# Altium PCB controller_V1.1.PcbDoc (part 4 of 6) (continued)
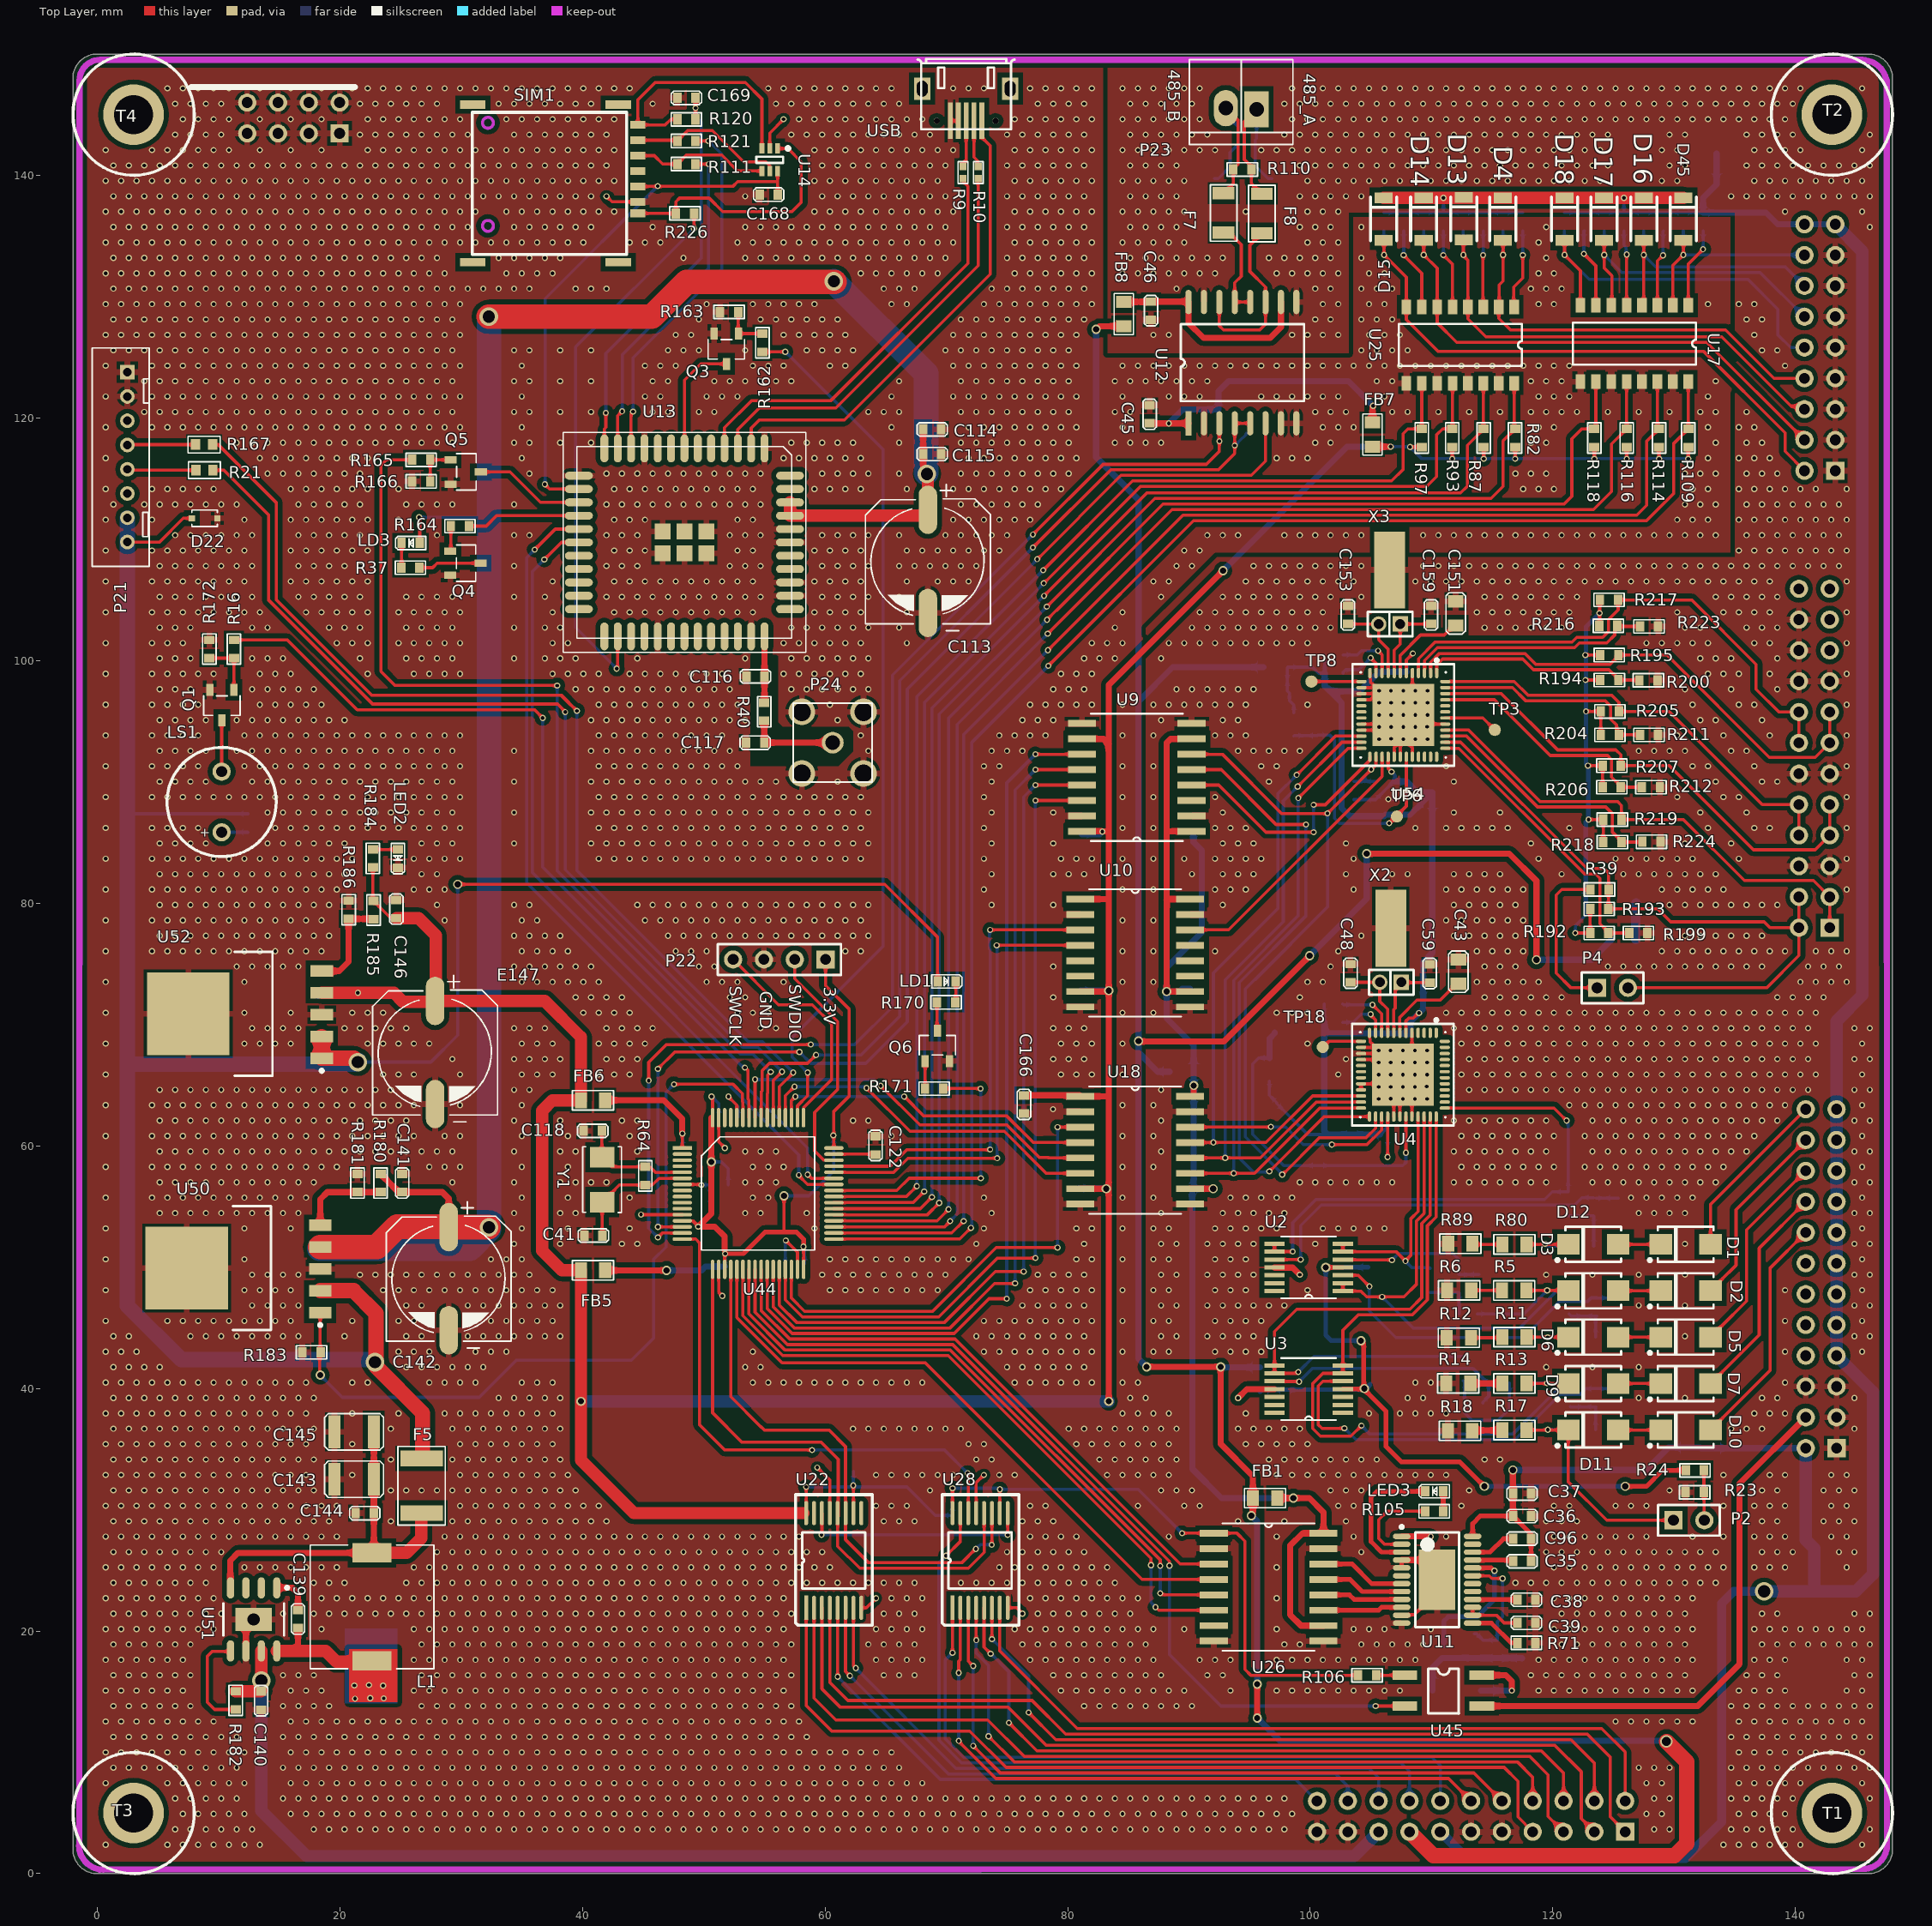
[diagram p0: Top Layer view]
## Nets (pads, with @x,y where several pads share a name; then routed paths per layer and width w, separated by ;. In a path a pad name is that pad's centre, name@x,y a point inside that pad or via, vN(x,y) a via of type N, cw(c..) or ccw(c..) an arc to the next point about the centre after c; other vN are vias at no path point) (continued)
23.569,48.108 24.839,48.108 26.109,48.108 27.379,48.108 28.649,48.108 29.919,48.108 31.189,48.108 32.459,48.108 33.729,48.108 34.999,48.108 36.269,48.108 37.539,48.108 60.399,48.108 61.669,48.108 62.939,48.108 64.209,48.108 65.479,48.108 66.749,48.108 68.019,48.108 69.289,48.108 76.909,48.108 78.179,48.108 79.449,48.108 80.719,48.108 81.989,48.108 84.529,48.108 12.774,49.378 14.044,49.378 15.314,49.378 16.584,49.378 21.664,49.378 22.934,49.378 24.204,49.378 25.474,49.378 26.744,49.378 28.014,49.378 29.284,49.378 30.554,49.378 31.824,49.378 33.094,49.378 34.364,49.378 35.634,49.378 59.764,49.378 61.034,49.378 62.304,49.378 63.574,49.378 64.844,49.378 66.114,49.378 67.384,49.378 68.654,49.378 69.924,49.378 77.544,49.378 78.814,49.378 80.084,49.378 81.354,49.378 0.709,50.648 12.139,50.648 32.459,50.648 33.729,50.648 34.999,50.648 60.399,50.648 61.669,50.648 62.939,50.648 64.209,50.648 65.479,50.648 66.749,50.648 68.019,50.648 69.289,50.648 70.559,50.648 71.829,50.648 80.719,50.648 81.989,50.648 84.529,50.648 34.364,51.918 38.174,51.918 43.254,51.918 44.524,51.918 72.464,51.918 81.354,51.918 0.709,53.188 12.139,53.188 15.949,53.188 34.999,53.188 38.809,53.188 43.889,53.188 59.129,53.188 73.099,53.188 80.719,53.188 81.989,53.188 84.529,53.188 5.154,54.458 6.424,54.458 7.694,54.458 8.964,54.458 10.234,54.458 11.504,54.458 12.774,54.458 14.044,54.458 15.314,54.458 16.584,54.458 34.364,54.458 38.174,54.458 39.444,54.458 53.414,54.458 54.684,54.458 58.494,54.458 73.734,54.458 0.709,55.728 4.519,55.728 5.789,55.728 7.059,55.728 8.329,55.728 9.599,55.728 10.869,55.728 12.139,55.728 13.409,55.728 14.679,55.728 15.949,55.728 17.219,55.728 34.999,55.728 38.809,55.728 43.889,55.728 54.049,55.728 55.319,55.728 73.099,55.728 84.529,55.728 5.154,56.998 6.424,56.998 7.694,56.998 8.964,56.998 10.234,56.998 11.504,56.998 12.774,56.998 14.044,56.998 15.314,56.998 16.584,56.998 17.854,56.998 29.284,56.998 34.364,56.998 38.174,56.998 39.444,56.998 40.714,56.998 41.984,56.998 53.414,56.998 54.684,56.998 55.954,56.998 0.709,58.268 4.519,58.268 5.789,58.268 7.059,58.268 8.329,58.268 9.599,58.268 10.869,58.268 12.139,58.268 13.409,58.268 14.679,58.268 15.949,58.268 17.219,58.268 18.489,58.268 19.759,58.268 27.379,58.268 28.649,58.268 29.919,58.268 34.999,58.268 38.809,58.268 54.049,58.268 55.319,58.268 56.589,58.268 84.529,58.268 5.154,59.538 6.424,59.538 7.694,59.538 8.964,59.538 10.234,59.538 11.504,59.538 12.774,59.538 14.044,59.538 15.314,59.538 16.584,59.538 17.854,59.538 19.124,59.538 20.394,59.538 21.664,59.538 22.934,59.538 24.204,59.538 25.474,59.538 26.744,59.538 28.014,59.538 29.284,59.538 34.364,59.538 38.174,59.538 39.444,59.538 44.524,59.538 53.414,59.538 54.684,59.538 55.954,59.538 51.74,59.817 0.709,60.808 4.519,60.808 5.789,60.808 7.059,60.808 8.329,60.808 9.599,60.808 10.869,60.808 12.139,60.808 13.409,60.808 14.679,60.808 15.949,60.808 17.219,60.808 18.489,60.808 19.759,60.808 21.029,60.808 22.299,60.808 23.569,60.808 24.839,60.808 26.109,60.808 28.649,60.808 29.919,60.808 34.999,60.808 38.809,60.808 43.889,60.808 65.479,60.808 84.529,60.808 5.154,62.078 6.424,62.078 7.694,62.078 8.964,62.078 10.234,62.078 11.504,62.078 12.774,62.078 14.044,62.078 15.314,62.078 16.584,62.078 17.854,62.078 19.124,62.078 20.394,62.078 21.664,62.078 22.934,62.078 24.204,62.078 25.474,62.078 34.364,62.078 38.174,62.078 43.254,62.078 44.524,62.078 62.304,62.078 63.574,62.078 78.791,63.017 0.709,63.348 4.519,63.348 5.789,63.348 7.059,63.348 8.329,63.348 9.599,63.348 10.869,63.348 12.139,63.348 13.409,63.348 14.679,63.348 15.949,63.348 17.219,63.348 18.489,63.348 19.759,63.348 21.029,63.348 22.299,63.348 23.569,63.348 24.839,63.348 26.109,63.348 29.919,63.348 34.999,63.348 84.529,63.348 5.154,64.618 6.424,64.618 7.694,64.618 8.964,64.618 10.234,64.618 11.504,64.618 12.774,64.618 14.044,64.618 15.314,64.618 16.584,64.618 17.854,64.618 19.124,64.618 20.394,64.618 21.664,64.618 22.934,64.618 24.204,64.618 25.474,64.618 34.364,64.618 35.634,64.618 0.709,65.888 23.569,65.888 24.839,65.888 26.109,65.888 29.919,65.888 34.999,65.888 36.269,65.888 37.539,65.888 41.349,65.888 42.619,65.888 43.889,65.888 79.449,65.888 80.719,65.888 81.989,65.888 84.529,65.888 29.284,67.158 34.364,67.158 35.634,67.158 36.904,67.158 38.174,67.158 41.984,67.158 43.254,67.158 44.524,67.158 78.814,67.158 80.084,67.158 81.354,67.158 0.709,68.428 12.139,68.428 13.409,68.428 14.679,68.428 15.949,68.428 22.299,68.428 23.569,68.428 24.839,68.428 26.109,68.428 27.379,68.428 34.999,68.428 36.269,68.428 37.539,68.428 41.349,68.428 42.619,68.428 43.889,68.428 45.159,68.428 79.449,68.428 80.719,68.428 81.989,68.428 84.529,68.428 12.774,69.698 14.044,69.698 15.314,69.698 16.584,69.698 20.394,69.698 21.664,69.698 22.934,69.698 24.204,69.698 25.474,69.698 34.364,69.698 35.634,69.698 36.904,69.698 41.984,69.698 43.254,69.698 44.524,69.698 45.794,69.698 54.684,69.698 55.954,69.698 78.814,69.698 80.084,69.698 81.354,69.698 0.709,70.968 12.139,70.968 15.949,70.968 21.029,70.968 22.299,70.968 23.569,70.968 40.079,70.968 41.349,70.968 42.619,70.968 43.889,70.968 52.779,70.968 54.049,70.968 55.319,70.968 84.529,70.968 39.444,72.238 40.714,72.238 41.984,72.238 43.254,72.238 52.144,72.238 53.414,72.238 78.814,72.238 0.709,73.508 12.139,73.508 34.999,73.508 36.269,73.508 37.539,73.508 38.809,73.508 40.079,73.508 41.349,73.508 50.239,73.508 51.509,73.508 52.779,73.508 56.589,73.508 84.529,73.508 11.504,74.778 12.774,74.778 14.044,74.778 15.314,74.778 16.584,74.778 34.364,74.778 35.634,74.778 36.904,74.778 38.174,74.778 39.444,74.778 40.714,74.778 49.604,74.778 50.874,74.778 78.814,74.778 0.709,76.048 4.519,76.048 5.789,76.048 7.059,76.048 8.329,76.048 9.599,76.048 10.869,76.048 12.139,76.048 13.409,76.048 14.679,76.048 15.949,76.048 17.219,76.048 18.489,76.048 34.999,76.048 36.269,76.048 37.539,76.048 38.809,76.048 47.699,76.048 48.969,76.048 50.239,76.048 61.669,76.048 62.939,76.048 84.529,76.048 5.154,77.318 6.424,77.318 7.694,77.318 8.964,77.318 10.234,77.318 11.504,77.318 12.774,77.318 14.044,77.318 15.314,77.318 16.584,77.318 17.854,77.318 19.124,77.318 34.364,77.318 35.634,77.318 36.904,77.318 38.174,77.318 47.064,77.318 48.334,77.318 49.604,77.318 50.874,77.318 52.144,77.318 53.414,77.318 54.684,77.318 55.954,77.318 57.224,77.318 58.494,77.318 59.764,77.318 61.034,77.318 62.304,77.318 63.574,77.318 0.709,78.588 4.519,78.588 5.789,78.588 7.059,78.588 8.329,78.588 9.599,78.588 10.869,78.588 12.139,78.588 13.409,78.588 14.679,78.588 15.949,78.588 17.219,78.588 18.489,78.588 28.649,78.588 34.999,78.588 36.269,78.588 45.159,78.588 46.429,78.588 47.699,78.588 48.969,78.588 50.239,78.588 51.509,78.588 52.779,78.588 54.049,78.588 55.319,78.588 56.589,78.588 57.859,78.588 59.129,78.588 60.399,78.588 61.669,78.588 62.939,78.588 84.529,78.588 5.154,79.858 6.424,79.858 7.694,79.858 8.964,79.858 10.234,79.858 11.504,79.858 12.774,79.858 14.044,79.858 15.314,79.858 16.584,79.858 17.854,79.858 19.124,79.858 28.014,79.858 34.364,79.858 35.634,79.858 44.524,79.858 45.794,79.858 47.064,79.858 48.334,79.858 49.604,79.858 50.874,79.858 52.144,79.858 53.414,79.858 54.684,79.858 55.954,79.858 57.224,79.858 58.494,79.858 59.764,79.858 61.034,79.858 62.304,79.858 63.574,79.858 73.734,79.858 78.814,79.858 0.709,81.128 4.519,81.128 5.789,81.128 7.059,81.128 8.329,81.128 9.599,81.128 10.869,81.128 12.139,81.128 13.409,81.128 14.679,81.128 15.949,81.128 17.219,81.128 18.489,81.128 19.759,81.128 26.109,81.128 27.379,81.128 28.649,81.128 73.099,81.128 84.529,81.128 5.154,82.398 6.424,82.398 7.694,82.398 8.964,82.398 10.234,82.398 11.504,82.398 12.774,82.398 14.044,82.398 15.314,82.398 16.584,82.398 17.854,82.398 19.124,82.398 20.394,82.398 26.744,82.398 28.014,82.398 73.734,82.398 78.814,82.398 80.084,82.398 81.354,82.398 0.709,83.668 4.519,83.668 5.789,83.668 7.059,83.668 8.329,83.668 9.599,83.668 10.869,83.668 12.139,83.668 13.409,83.668 14.679,83.668 15.949,83.668 17.219,83.668 18.489,83.668 19.759,83.668 21.029,83.668 26.109,83.668 27.379,83.668 28.649,83.668 29.919,83.668 41.349,83.668 42.619,83.668 43.889,83.668 45.159,83.668 46.429,83.668 47.699,83.668 48.969,83.668 50.239,83.668 51.509,83.668 52.779,83.668 54.049,83.668 55.319,83.668 56.589,83.668 57.859,83.668 59.129,83.668 60.399,83.668 61.669,83.668 62.939,83.668 73.099,83.668 79.449,83.668 80.719,83.668 81.989,83.668 84.529,83.668 5.154,84.938 6.424,84.938 7.694,84.938 8.964,84.938 14.044,84.938 15.314,84.938 16.584,84.938 17.854,84.938 19.124,84.938 20.394,84.938 26.744,84.938 28.014,84.938 29.284,84.938 34.364,84.938 40.714,84.938 41.984,84.938 43.254,84.938 44.524,84.938 45.794,84.938 47.064,84.938 48.334,84.938 49.604,84.938 50.874,84.938 52.144,84.938 53.414,84.938 54.684,84.938 55.954,84.938 57.224,84.938 58.494,84.938 59.764,84.938 61.034,84.938 62.304,84.938 63.574,84.938 73.734,84.938 78.814,84.938 0.709,86.208 4.519,86.208 5.789,86.208 7.059,86.208 8.329,86.208 14.679,86.208 15.949,86.208 17.219,86.208 18.489,86.208 19.759,86.208 21.029,86.208 22.299,86.208 23.569,86.208 24.839,86.208 26.109,86.208 27.379,86.208 28.649,86.208 29.919,86.208 41.349,86.208 42.619,86.208 43.889,86.208 45.159,86.208 46.429,86.208 47.699,86.208 48.969,86.208 50.239,86.208 51.509,86.208 52.779,86.208 54.049,86.208 55.319,86.208 56.589,86.208 57.859,86.208 59.129,86.208 60.399,86.208 61.669,86.208 62.939,86.208 73.099,86.208 84.529,86.208 14.044,87.478 15.314,87.478 16.584,87.478 17.854,87.478 19.124,87.478 20.394,87.478 21.664,87.478 22.934,87.478 24.204,87.478 25.474,87.478 26.744,87.478 28.014,87.478 29.284,87.478 34.364,87.478 40.714,87.478 41.984,87.478 43.254,87.478 44.524,87.478 45.794,87.478 47.064,87.478 48.334,87.478 49.604,87.478 50.874,87.478 52.144,87.478 53.414,87.478 54.684,87.478 55.954,87.478 57.224,87.478 58.494,87.478 59.764,87.478 61.034,87.478 62.304,87.478 63.574,87.478 73.734,87.478 78.814,87.478 0.709,88.748 4.519,88.748 5.789,88.748 7.059,88.748 8.329,88.748 9.599,88.748 10.869,88.748 12.139,88.748 13.409,88.748 14.679,88.748 15.949,88.748 17.219,88.748 18.489,88.748 19.759,88.748 21.029,88.748 22.299,88.748 23.569,88.748 24.839,88.748 26.109,88.748 27.379,88.748 28.649,88.748 29.919,88.748 41.349,88.748 42.619,88.748 43.889,88.748 45.159,88.748 46.429,88.748 47.699,88.748 48.969,88.748 50.239,88.748 51.509,88.748 52.779,88.748 54.049,88.748 55.319,88.748 56.589,88.748 57.859,88.748 59.129,88.748 60.399,88.748 61.669,88.748 62.939,88.748 73.099,88.748 84.529,88.748 5.154,90.018 6.424,90.018 7.694,90.018 8.964,90.018 12.774,90.018 14.044,90.018 15.314,90.018 16.584,90.018 17.854,90.018 19.124,90.018 20.394,90.018 21.664,90.018 22.934,90.018 24.204,90.018 25.474,90.018 26.744,90.018 28.014,90.018 29.284,90.018 34.364,90.018 40.714,90.018 41.984,90.018 43.254,90.018 44.524,90.018 45.794,90.018 47.064,90.018 48.334,90.018 49.604,90.018 50.874,90.018 52.144,90.018 53.414,90.018 54.684,90.018 55.954,90.018 61.034,90.018 73.734,90.018 0.709,91.288 4.519,91.288 5.789,91.288 7.059,91.288 8.329,91.288 12.139,91.288 13.409,91.288 14.679,91.288 15.949,91.288 17.219,91.288 18.489,91.288 19.759,91.288 21.029,91.288 22.299,91.288 23.569,91.288 24.839,91.288 26.109,91.288 27.379,91.288 28.649,91.288 29.919,91.288 41.349,91.288 42.619,91.288 43.889,91.288 45.159,91.288 46.429,91.288 47.699,91.288 48.969,91.288 50.239,91.288 51.509,91.288 52.779,91.288 73.099,91.288 74.369,91.288 84.529,91.288 5.154,92.558 6.424,92.558 7.694,92.558 8.964,92.558 11.504,92.558 12.774,92.558 14.044,92.558 15.314,92.558 16.584,92.558 17.854,92.558 19.124,92.558 20.394,92.558 21.664,92.558 22.934,92.558 24.204,92.558 25.474,92.558 26.744,92.558 28.014,92.558 29.284,92.558 34.364,92.558 40.714,92.558 41.984,92.558 43.254,92.558 44.524,92.558 45.794,92.558 47.064,92.558 48.334,92.558 49.604,92.558 50.874,92.558 52.144,92.558 63.574,92.558 73.734,92.558 75.004,92.558 76.274,92.558 0.709,93.828 4.519,93.828 5.789,93.828 7.059,93.828 8.329,93.828 12.139,93.828 13.409,93.828 14.679,93.828 15.949,93.828 17.219,93.828 18.489,93.828 19.759,93.828 21.029,93.828 22.299,93.828 23.569,93.828 24.839,93.828 26.109,93.828 27.379,93.828 28.649,93.828 29.919,93.828 41.349,93.828 42.619,93.828 43.889,93.828 45.159,93.828 46.429,93.828 47.699,93.828 48.969,93.828 50.239,93.828 51.509,93.828 62.939,93.828 74.369,93.828 75.639,93.828 76.909,93.828 78.179,93.828 84.529,93.828 5.154,95.098 6.424,95.098 7.694,95.098 8.964,95.098 11.504,95.098 12.774,95.098 14.044,95.098 15.314,95.098 16.584,95.098 17.854,95.098 19.124,95.098 20.394,95.098 40.714,95.098 41.984,95.098 43.254,95.098 44.524,95.098 45.794,95.098 47.064,95.098 48.334,95.098 49.604,95.098 50.874,95.098 52.144,95.098 53.414,95.098 61.034,95.098 76.274,95.098 77.544,95.098 78.814,95.098 0.709,96.368 4.519,96.368 5.789,96.368 7.059,96.368 8.329,96.368 13.409,96.368 14.679,96.368 15.949,96.368 17.219,96.368 18.489,96.368 41.349,96.368 42.619,96.368 43.889,96.368 45.159,96.368 46.429,96.368 47.699,96.368 48.969,96.368 50.239,96.368 51.509,96.368 52.779,96.368 60.399,96.368 76.909,96.368 78.179,96.368 79.449,96.368 80.719,96.368 81.989,96.368 84.529,96.368 5.154,97.638 6.424,97.638 7.694,97.638 12.774,97.638 14.044,97.638 15.314,97.638 16.584,97.638 17.854,97.638 39.444,97.638 40.714,97.638 41.984,97.638 43.254,97.638 44.524,97.638 45.794,97.638 47.064,97.638 48.334,97.638 49.604,97.638 50.874,97.638 52.144,97.638 57.224,97.638 58.494,97.638 59.764,97.638 61.034,97.638 62.304,97.638 63.574,97.638 78.814,97.638 80.084,97.638 81.354,97.638 0.709,98.908 4.519,98.908 5.789,98.908 7.059,98.908 8.329,98.908 9.599,98.908 13.409,98.908 14.679,98.908 15.949,98.908 22.299,98.908 26.109,98.908 27.379,98.908 28.649,98.908 29.919,98.908 37.539,98.908 38.809,98.908 40.079,98.908 41.349,98.908 43.889,98.908 45.159,98.908 46.429,98.908 47.699,98.908 48.969,98.908 50.239,98.908 51.509,98.908 56.589,98.908 57.859,98.908 59.129,98.908 60.399,98.908 61.669,98.908 62.939,98.908 79.449,98.908 80.719,98.908 81.989,98.908 5.154,100.178 6.424,100.178 7.694,100.178 12.774,100.178 14.044,100.178 15.314,100.178 21.664,100.178 25.474,100.178 26.744,100.178 28.014,100.178 29.284,100.178 34.364,100.178 36.904,100.178 38.174,100.178 39.444,100.178 44.524,100.178 53.414,100.178 57.224,100.178 58.494,100.178 59.764,100.178 61.034,100.178 62.304,100.178 63.574,100.178 81.354,100.178 82.624,100.178 83.894,100.178 0.709,101.448 4.519,101.448 5.789,101.448 7.059,101.448 19.759,101.448 21.029,101.448 22.299,101.448 24.839,101.448 26.109,101.448 27.379,101.448 28.649,101.448 29.919,101.448 37.539,101.448 38.809,101.448 56.589,101.448 57.859,101.448 59.129,101.448 60.399,101.448 61.669,101.448 62.939,101.448 66.749,101.448 81.989,101.448 83.259,101.448 84.529,101.448 5.154,102.718 6.424,102.718 7.694,102.718 12.774,102.718 14.044,102.718 19.124,102.718 20.394,102.718 21.664,102.718 25.474,102.718 26.744,102.718 28.014,102.718 29.284,102.718 34.364,102.718 36.904,102.718 38.174,102.718 57.224,102.718 58.494,102.718 59.764,102.718 61.034,102.718 62.304,102.718 63.574,102.718 66.114,102.718 83.894,102.718 0.709,103.988 4.519,103.988 5.789,103.988 7.059,103.988 8.329,103.988 9.599,103.988 10.869,103.988 12.139,103.988 13.409,103.988 17.219,103.988 18.489,103.988 19.759,103.988 21.029,103.988 22.299,103.988 24.839,103.988 26.109,103.988 27.379,103.988 28.649,103.988 29.919,103.988 37.539,103.988 42.619,103.988 43.889,103.988 45.159,103.988 46.429,103.988 47.699,103.988 48.969,103.988 50.239,103.988 51.509,103.988 52.779,103.988 54.049,103.988 59.129,103.988 60.399,103.988 61.669,103.988 62.939,103.988 66.749,103.988 84.529,103.988 5.154,105.258 6.424,105.258 7.694,105.258 8.964,105.258 10.234,105.258 11.504,105.258 12.774,105.258 16.584,105.258 17.854,105.258 19.124,105.258 20.394,105.258 21.664,105.258 25.474,105.258 26.744,105.258 28.014,105.258 29.284,105.258 34.364,105.258 36.904,105.258 41.984,105.258 43.254,105.258 44.524,105.258 45.794,105.258 47.064,105.258 48.334,105.258 49.604,105.258 50.874,105.258 52.144,105.258 53.414,105.258 54.684,105.258 59.764,105.258 61.034,105.258 62.304,105.258 63.574,105.258 66.114,105.258 87.704,105.258 0.709,106.528 4.519,106.528 5.789,106.528 7.059,106.528 8.329,106.528 9.599,106.528 10.869,106.528 12.139,106.528 15.949,106.528 17.219,106.528 18.489,106.528 19.759,106.528 21.029,106.528 22.299,106.528 37.539,106.528 42.619,106.528 43.889,106.528 45.159,106.528 46.429,106.528 47.699,106.528 48.969,106.528 50.239,106.528 51.509,106.528 52.779,106.528 54.049,106.528 59.129,106.528 60.399,106.528 61.669,106.528 62.939,106.528 66.749,106.528 69.289,106.528 70.559,106.528 71.829,106.528 87.069,106.528 88.339,106.528 5.154,107.798 6.424,107.798 7.694,107.798 8.964,107.798 10.234,107.798 11.504,107.798 12.774,107.798 16.584,107.798 17.854,107.798 19.124,107.798 20.394,107.798 21.664,107.798 34.364,107.798 41.984,107.798 43.254,107.798 44.524,107.798 52.144,107.798 53.414,107.798 54.684,107.798 59.764,107.798 61.034,107.798 62.304,107.798 63.574,107.798 66.114,107.798 67.384,107.798 68.654,107.798 69.924,107.798 71.194,107.798 72.464,107.798 88.974,107.798 90.244,107.798 0.709,109.068 4.519,109.068 5.789,109.068 7.059,109.068 8.329,109.068 9.599,109.068 10.869,109.068 12.139,109.068 15.949,109.068 17.219,109.068 18.489,109.068 19.759,109.068 21.029,109.068 22.299,109.068 42.619,109.068 43.889,109.068 45.159,109.068 52.779,109.068 54.049,109.068 59.129,109.068 60.399,109.068 61.669,109.068 62.939,109.068 66.749,109.068 68.019,109.068 69.289,109.068 70.559,109.068 71.829,109.068 73.099,109.068 74.369,109.068 89.609,109.068 90.879,109.068 6.424,110.338 7.694,110.338 8.964,110.338 10.234,110.338 11.504,110.338 12.774,110.338 16.584,110.338 17.854,110.338 19.124,110.338 20.394,110.338 21.664,110.338 28.014,110.338 34.364,110.338 35.634,110.338 41.984,110.338 43.254,110.338 44.524,110.338 52.144,110.338 53.414,110.338 54.684,110.338 59.764,110.338 61.034,110.338 62.304,110.338 63.574,110.338 66.114,110.338 69.924,110.338 71.194,110.338 72.464,110.338 73.734,110.338 75.004,110.338 91.514,110.338 92.784,110.338 94.054,110.338 97.864,110.338 99.134,110.338 100.404,110.338 101.674,110.338 102.944,110.338 104.214,110.338 109.294,110.338 110.564,110.338 111.834,110.338 113.104,110.338 114.374,110.338 115.644,110.338 116.914,110.338 118.184,110.338 119.454,110.338 120.724,110.338 121.994,110.338 123.264,110.338 124.534,110.338 125.804,110.338 127.074,110.338 128.344,110.338 129.614,110.338 130.884,110.338 132.154,110.338 133.424,110.338 0.709,111.608 4.519,111.608 12.139,111.608 15.949,111.608 17.219,111.608 18.489,111.608 19.759,111.608 21.029,111.608 22.299,111.608 24.839,111.608 42.619,111.608 43.889,111.608 45.159,111.608 52.779,111.608 54.049,111.608 70.559,111.608 71.829,111.608 73.099,111.608 74.369,111.608 75.639,111.608 76.909,111.608 130.249,111.608 131.519,111.608 132.789,111.608 1.344,112.878 3.884,112.878 5.154,112.878 6.424,112.878 7.694,112.878 8.964,112.878 10.234,112.878 11.504,112.878 16.584,112.878 17.854,112.878 19.124,112.878 20.394,112.878 21.664,112.878 25.474,112.878 26.744,112.878 28.014,112.878 29.284,112.878 34.364,112.878 41.984,112.878 43.254,112.878 44.524,112.878 45.794,112.878 47.064,112.878 48.334,112.878 49.604,112.878 50.874,112.878 52.144,112.878 53.414,112.878 54.684,112.878 71.194,112.878 72.464,112.878 73.734,112.878 75.004,112.878 76.274,112.878 77.544,112.878 130.884,112.878 132.154,112.878 133.424,112.878 0.709,114.148 4.519,114.148 5.789,114.148 7.059,114.148 8.329,114.148 9.599,114.148 15.949,114.148 17.219,114.148 18.489,114.148 19.759,114.148 21.029,114.148 22.299,114.148 24.839,114.148 42.619,114.148 43.889,114.148 45.159,114.148 46.429,114.148 47.699,114.148 48.969,114.148 50.239,114.148 51.509,114.148 52.779,114.148 54.049,114.148 59.129,114.148 60.399,114.148 61.669,114.148 62.939,114.148 66.749,114.148 70.559,114.148 71.829,114.148 73.099,114.148 74.369,114.148 75.639,114.148 76.909,114.148 78.179,114.148 79.449,114.148 117.549,114.148 118.819,114.148 120.089,114.148 131.519,114.148 132.789,114.148 14.044,115.418 15.314,115.418 16.584,115.418 17.854,115.418 19.124,115.418 20.394,115.418 21.664,115.418 35.634,115.418 41.984,115.418 43.254,115.418 44.524,115.418 45.794,115.418 47.064,115.418 48.334,115.418 49.604,115.418 50.874,115.418 52.144,115.418 53.414,115.418 54.684,115.418 59.764,115.418 61.034,115.418 62.304,115.418 63.574,115.418 66.114,115.418 71.194,115.418 72.464,115.418 73.734,115.418 75.004,115.418 76.274,115.418 77.544,115.418 78.814,115.418 80.084,115.418 116.914,115.418 118.184,115.418 119.454,115.418 130.884,115.418 132.154,115.418 133.424,115.418 0.709,116.688 13.409,116.688 14.679,116.688 15.949,116.688 17.219,116.688 18.489,116.688 19.759,116.688 21.029,116.688 22.299,116.688 34.999,116.688 56.589,116.688 57.859,116.688 59.129,116.688 60.399,116.688 61.669,116.688 62.939,116.688 71.829,116.688 73.099,116.688 74.369,116.688 75.639,116.688 76.909,116.688 78.179,116.688 79.449,116.688 80.719,116.688 97.229,116.688 98.499,116.688 99.769,116.688 132.789,116.688 11.504,117.958 12.774,117.958 14.044,117.958 15.314,117.958 16.584,117.958 17.854,117.958 19.124,117.958 20.394,117.958 21.664,117.958 22.934,117.958 24.204,117.958 25.474,117.958 26.744,117.958 28.014,117.958 29.284,117.958 34.364,117.958 35.634,117.958 38.174,117.958 40.714,117.958 57.224,117.958 58.494,117.958 59.764,117.958 61.034,117.958 62.304,117.958 66.114,117.958 71.194,117.958 72.464,117.958 73.734,117.958 75.004,117.958 76.274,117.958 77.544,117.958 78.814,117.958 80.084,117.958 83.894,117.958 85.164,117.958 86.434,117.958 87.704,117.958 100.404,117.958 101.674,117.958 118.184,117.958 119.454,117.958 133.424,117.958 0.709,119.228 4.519,119.228 5.789,119.228 7.059,119.228 8.329,119.228 9.599,119.228 10.869,119.228 12.139,119.228 13.409,119.228 14.679,119.228 15.949,119.228 17.219,119.228 18.489,119.228 19.759,119.228 21.029,119.228 22.299,119.228 23.569,119.228 24.839,119.228 26.109,119.228 27.379,119.228 28.649,119.228 29.919,119.228 34.999,119.228 65.479,119.228 71.829,119.228 73.099,119.228 74.369,119.228 75.639,119.228 76.909,119.228 78.179,119.228 79.449,119.228 80.719,119.228 84.529,119.228 101.039,119.228 102.309,119.228 103.579,119.228 118.819,119.228 120.089,119.228 132.789,119.228 3.884,120.498 5.154,120.498 6.424,120.498 7.694,120.498 8.964,120.498 10.234,120.498 11.504,120.498 12.774,120.498 14.044,120.498 15.314,120.498 16.584,120.498 17.854,120.498 19.124,120.498 20.394,120.498 21.664,120.498 22.934,120.498 24.204,120.498 25.474,120.498 26.744,120.498 28.014,120.498 29.284,120.498 34.364,120.498 35.634,120.498 38.174,120.498 40.714,120.498 45.794,120.498 47.064,120.498 49.604,120.498 50.874,120.498 63.574,120.498 64.844,120.498 66.114,120.498 71.194,120.498 72.464,120.498 73.734,120.498 75.004,120.498 76.274,120.498 77.544,120.498 78.814,120.498 80.084,120.498 83.894,120.498 85.164,120.498 100.404,120.498 101.674,120.498 102.944,120.498 106.754,120.498 108.024,120.498 110.564,120.498 113.104,120.498 115.644,120.498 118.184,120.498 119.454,120.498 120.724,120.498 121.994,120.498 124.534,120.498 127.074,120.498 129.614,120.498 132.154,120.498 133.424,120.498 0.709,121.768 4.519,121.768 5.789,121.768 7.059,121.768 8.329,121.768 9.599,121.768 10.869,121.768 12.139,121.768 13.409,121.768 14.679,121.768 15.949,121.768 17.219,121.768 18.489,121.768 19.759,121.768 21.029,121.768 22.299,121.768 23.569,121.768 24.839,121.768 26.109,121.768 27.379,121.768 28.649,121.768 29.919,121.768 34.999,121.768 45.159,121.768 46.429,121.768 50.239,121.768 51.509,121.768 52.779,121.768 65.479,121.768 70.559,121.768 71.829,121.768 73.099,121.768 74.369,121.768 75.639,121.768 76.909,121.768 78.179,121.768 79.449,121.768 80.719,121.768 84.529,121.768 88.339,121.768 89.609,121.768 90.879,121.768 95.959,121.768 97.229,121.768 98.499,121.768 99.769,121.768 101.039,121.768 102.309,121.768 106.119,121.768 118.819,121.768 120.089,121.768 121.359,121.768 132.789,121.768 3.884,123.038 5.154,123.038 6.424,123.038 7.694,123.038 8.964,123.038 10.234,123.038 11.504,123.038 12.774,123.038 14.044,123.038 15.314,123.038 16.584,123.038 17.854,123.038 19.124,123.038 20.394,123.038 21.664,123.038 22.934,123.038 24.204,123.038 25.474,123.038 26.744,123.038 28.014,123.038 29.284,123.038 34.364,123.038 35.634,123.038 38.174,123.038 40.714,123.038 45.794,123.038 47.064,123.038 50.874,123.038 52.144,123.038 53.414,123.038 54.684,123.038 55.954,123.038 57.224,123.038 66.114,123.038 71.194,123.038 72.464,123.038 73.734,123.038 75.004,123.038 76.274,123.038 77.544,123.038 78.814,123.038 80.084,123.038 83.894,123.038 85.164,123.038 86.434,123.038 87.704,123.038 88.974,123.038 90.244,123.038 91.514,123.038 105.484,123.038 106.754,123.038 118.184,123.038 119.454,123.038 120.724,123.038 133.424,123.038 0.709,124.308 4.519,124.308 5.789,124.308 7.059,124.308 8.329,124.308 9.599,124.308 10.869,124.308 12.139,124.308 13.409,124.308 14.679,124.308 15.949,124.308 17.219,124.308 18.489,124.308 19.759,124.308 21.029,124.308 22.299,124.308 23.569,124.308 24.839,124.308 26.109,124.308 27.379,124.308 28.649,124.308 29.919,124.308 34.999,124.308 45.159,124.308 46.429,124.308 47.699,124.308 54.049,124.308 55.319,124.308 56.589,124.308 60.399,124.308 61.669,124.308 70.559,124.308 71.829,124.308 73.099,124.308 74.369,124.308 75.639,124.308 76.909,124.308 78.179,124.308 79.449,124.308 80.719,124.308 84.529,124.308 85.799,124.308 87.069,124.308 88.339,124.308 89.609,124.308 90.879,124.308 92.149,124.308 93.419,124.308 94.689,124.308 95.959,124.308 97.229,124.308 98.499,124.308 99.769,124.308 101.039,124.308 102.309,124.308 103.579,124.308 104.849,124.308 106.119,124.308 107.389,124.308 108.659,124.308 109.929,124.308 111.199,124.308 112.469,124.308 113.739,124.308 115.009,124.308 116.279,124.308 117.549,124.308 118.819,124.308 120.089,124.308 121.359,124.308 1.344,125.578 2.614,125.578 3.884,125.578 5.154,125.578 6.424,125.578 7.694,125.578 8.964,125.578 10.234,125.578 11.504,125.578 12.774,125.578 14.044,125.578 15.314,125.578 16.584,125.578 17.854,125.578 19.124,125.578 20.394,125.578 21.664,125.578 22.934,125.578 24.204,125.578 25.474,125.578 26.744,125.578 28.014,125.578 29.284,125.578 34.364,125.578 35.634,125.578 38.174,125.578 40.714,125.578 47.064,125.578 48.334,125.578 49.604,125.578 53.414,125.578 58.494,125.578 59.764,125.578 61.034,125.578 62.304,125.578 69.924,125.578 71.194,125.578 72.464,125.578 73.734,125.578 75.004,125.578 76.274,125.578 77.544,125.578 78.814,125.578 80.084,125.578 104.214,125.578 105.484,125.578 106.754,125.578 108.024,125.578 0.709,126.848 1.979,126.848 3.249,126.848 4.519,126.848 5.789,126.848 7.059,126.848 8.329,126.848 9.599,126.848 10.869,126.848 12.139,126.848 13.409,126.848 14.679,126.848 15.949,126.848 17.219,126.848 18.489,126.848 19.759,126.848 21.029,126.848 22.299,126.848 23.569,126.848 24.839,126.848 26.109,126.848 27.379,126.848 28.649,126.848 29.919,126.848 47.699,126.848 48.969,126.848 56.589,126.848 57.859,126.848 59.129,126.848 60.399,126.848 61.669,126.848 70.559,126.848 71.829,126.848 73.099,126.848 74.369,126.848 75.639,126.848 76.909,126.848 78.179,126.848 79.449,126.848 80.719,126.848 104.849,126.848 106.119,126.848 107.389,126.848 1.344,128.118 2.614,128.118 3.884,128.118 5.154,128.118 6.424,128.118 7.694,128.118 8.964,128.118 10.234,128.118 11.504,128.118 12.774,128.118 14.044,128.118 15.314,128.118 16.584,128.118 17.854,128.118 19.124,128.118 20.394,128.118 21.664,128.118 22.934,128.118 24.204,128.118 25.474,128.118 26.744,128.118 28.014,128.118 29.284,128.118 49.604,128.118 54.684,128.118 55.954,128.118 57.224,128.118 58.494,128.118 59.764,128.118 61.034,128.118 71.194,128.118 72.464,128.118 73.734,128.118 75.004,128.118 76.274,128.118 77.544,128.118 78.814,128.118 80.084,128.118 81.354,128.118 104.214,128.118 105.484,128.118 106.754,128.118 0.709,129.388 1.979,129.388 3.249,129.388 4.519,129.388 5.789,129.388 7.059,129.388 8.329,129.388 9.599,129.388 10.869,129.388 12.139,129.388 13.409,129.388 14.679,129.388 15.949,129.388 17.219,129.388 18.489,129.388 19.759,129.388 21.029,129.388